# KiCad board 8851_HW-U1-VCU118_REV2-0_071417.kicad_pcb (continued)
## Routing (per net, layer and track width the routed paths; a pad name or vN(x,y) marks a point on that pad's centre or on a via; arc(x,y) is an arc through that point) (continued)
FMC_HPC1_LA33_N: length 158.3
  TOP w0.102: 122.77,54.47 v2(123.26,53.98) ; J2.G37 v3(129.15,163.25)
  18_SIG6 w0.075: 129.59,88.85 129.59,88.84 129.64,88.8 129.64,88.04 129.55,87.95 129.55,85.86 129.58,85.83 129.58,83.22 129.56,83.2 129.56,81.3 129.41,81.14 127.88,81.14 127.6,80.86 127.6,67.58 127.38,67.37 122.97,67.37 122.68,67.07 122.68,54.63 122.94,54.37 123.19,54.37 123.26,54.29 v2(123.26,53.98)
  18_SIG6 w0.087: 129.59,88.85 129.59,89.1 129.42,89.27 129.42,100.86 129.88,101.31 129.88,113.09 131.62,114.84 131.62,115.94 133.34,117.66 133.34,122.59 133.25,122.68 132.52,122.68 132.28,122.93 132.28,123.42 132.52,123.67 133.25,123.67 133.34,123.75 133.34,124 132.61,124.73 132.61,125.88 133.01,126.28 133.01,129.75 130.58,132.19 130.58,133.37 131.24,134.03 131.24,134.21 130.87,134.59 130.68,134.59 130.08,133.99 129.67,133.99 129.06,134.6 129.06,141.73 126.42,144.37 123.08,144.37 120.84,146.61 119.38,146.61 117.39,148.6 117.39,158.08 117.75,158.44 118.44,158.44 119.67,159.68 121.12,159.68 122.88,157.93 122.88,155.43 122.12,154.68 122.12,153.83 123.04,152.92 130.09,152.92 130.39,153.22 130.39,154.67 129.64,155.43 129.64,162.76 v3(129.15,163.25)
FMC_HPC1_LA33_P: length 158.2
  TOP w0.102: 122.77,55.46 v2(123.26,54.96) ; J2.G36 v3(130.4,163.25)
  18_SIG6 w0.075: 129.86,88.85 129.86,88.83 129.83,88.8 129.83,87.96 129.74,87.87 129.74,85.94 129.78,85.91 129.78,83.14 129.76,83.12 129.76,81.22 129.49,80.95 127.96,80.95 127.79,80.78 127.79,67.5 127.46,67.17 123.05,67.17 122.87,66.99 122.87,54.71 123.02,54.56 123.17,54.56 123.26,54.65 v2(123.26,54.96)
  18_SIG6 w0.087: v3(130.4,163.25) 130.05,163.25 129.91,163.12 129.91,155.54 130.67,154.79 130.67,153.1 130.21,152.64 122.93,152.64 121.85,153.72 121.85,154.79 122.6,155.54 122.6,157.81 121.01,159.4 119.79,159.4 118.55,158.17 117.87,158.17 117.67,157.97 117.67,148.71 119.49,146.89 120.95,146.89 123.2,144.64 126.54,144.64 129.34,141.84 129.34,134.71 129.78,134.27 129.97,134.27 130.57,134.86 130.98,134.86 131.52,134.33 131.52,133.91 130.86,133.25 130.86,132.3 133.29,129.87 133.29,126.17 132.89,125.76 132.89,124.84 133.61,124.12 133.61,123.64 133.36,123.39 132.64,123.39 132.55,123.3 132.55,123.04 132.64,122.95 133.36,122.95 133.61,122.7 133.61,117.54 131.9,115.83 131.9,114.72 130.15,112.97 130.15,101.2 129.7,100.75 129.7,89.38 129.86,89.22 129.86,88.85
FMC_HPC1_PG_M2C: length 267.8
  TOP w0.15: J2.F1 v3(174.15,162)
  03_SIG1 w0.17: v3(50.03,155.17) 48.15,153.28 48.15,149.07 45.65,146.57 39.85,146.57 38.63,145.35 38.63,139.92 39.3,139.25 39.3,134.23 33.73,128.66 33.73,112.38 32.49,111.14 32.49,106.99 32.83,106.65 33.58,106.65 34.12,106.1 34.12,104.7 35.55,103.27 35.55,94.32 27.02,85.79 27.02,81.12 v3(27.8,80.35)
  14_SIG4 w0.087: v3(27.8,80.35) 29.69,78.46 37.15,78.46 37.74,79.05 44.25,79.05 v3(45.15,78.15)
  18_SIG6 w0.087: v3(174.15,162) 175.11,162.96 175.11,169.61 173.97,170.75 55.73,170.75 53.62,168.65 50.91,168.65 46.82,164.57 46.82,155.73 47.93,154.62 49.48,154.62 v3(50.03,155.17)
  BOTTOM w0.15: v3(174.15,162) 174.78,162.63 176.26,162.63 ; 46.42,77.79 45.51,77.79 v3(45.15,78.15)
  BOTTOM w0.375: R890.2 v3(177.95,162.63)
FMC_HPC1_PG_M2C_LS: length 204.4
  TOP w0.15: 133.6,48.57 v2(134.09,48.07)
  16_SIG5 w0.087: v3(41.86,77.79) 39.86,77.79 38.9,76.82 33.57,76.82 30.01,73.26 30.01,49.3 35.25,44.05 35.25,35.8 36.58,34.47 36.58,25.29 48.11,13.75 57.15,13.75 58.09,14.69 61.75,14.69 61.86,14.8 65.47,14.8 65.97,14.3 72.48,14.3 73.58,13.2 86.04,13.2 87.33,14.49 90.31,14.49 91.57,13.23 129.12,13.23 129.9,14.01 v3(129.9,14.03)
  BOTTOM w0.15: v3(129.9,14.03) 130.05,14.18 131.39,14.18 131.65,14.44 131.65,18.16 132.85,19.36 132.85,22.28 132.34,22.8 132.34,40.61 132.62,40.89 132.62,47.42 132.75,47.55 133.57,47.55 v2(134.09,48.07) ; 40.67,77.79 v3(41.86,77.79)
FMC_HPC1_PRSNT_M2C_B: length 251.1
  TOP w0.15: J2.H2 v3(172.9,164.5)
  05_SIG2 w0.17: v3(26.62,117.67) 25.99,117.04 25.99,113.04 26.48,112.55 26.48,105.47 29.01,102.93 32.57,102.93 36.85,98.65 36.85,93.05 41.45,88.45 41.45,80.15 45.73,75.87 v3(47.61,75.87)
  07_SIG3 w0.17: v3(138.08,149.33) 166.75,149.33 172.26,154.84 172.26,163.86 v3(172.9,164.5)
  18_SIG6 w0.087: v3(26.62,117.67) 30.45,117.67 33.15,120.38 33.15,123.18 35.52,125.55 35.52,129.55 38.45,132.47 38.45,134.4 39.85,135.8 39.85,139.55 39.4,140 39.4,145.08 40.41,146.09 47.4,146.09 52.11,150.81 60.33,150.81 63.77,147.37 v3(63.77,145.55)
  BOTTOM w0.15: v3(63.77,145.55) 65.9,145.55 68.9,148.55 137.3,148.55 v3(138.08,149.33) 138.08,150.41 ; 25.99,116.13 25.99,117.04 v3(26.62,117.67) ; 176.26,165.38 175.32,165.38 175.09,165.15 173.55,165.15 v3(172.9,164.5) ; 46.42,75.87 v3(47.61,75.87)
  BOTTOM w0.375: R888.2 v3(177.95,165.38)
FMC_HPC1_PRSNT_M2C_B_LS: length 203
  TOP w0.15: 134.58,48.57 v2(135.08,48.07)
  16_SIG5 w0.087: v3(39.49,75.87) 39.49,75.8 37.6,73.92 32.03,73.92 30.82,72.71 30.82,49.52 37.16,43.17 37.16,25.56 48.42,14.3 50.76,14.3 51.74,15.28 65.72,15.28 66.08,14.93 72.55,14.93 73.33,14.14 76.37,14.14 76.78,14.55 81.95,14.55 82.22,14.28 86.39,14.28 87.12,15.01 90.52,15.01 91.65,13.88 99.21,13.88 100.03,14.7 103.08,14.7 103.9,13.88 107,13.88 107.88,14.75 119.11,14.75 120,13.86 122.48,13.86 123.7,15.08 125.55,15.08 126.4,15.93 128.01,15.93 129.38,14.55 130.6,14.55 131.14,14.02 v3(132.33,14.02)
  BOTTOM w0.15: v2(135.08,48.07) 134.58,47.58 134.58,46.83 134.35,46.6 133.92,46.6 133.6,46.27 133.6,40.81 132.69,39.89 132.69,22.94 133.2,22.43 133.2,19.22 132.01,18.02 132.01,17 132.75,16.25 132.75,14.44 v3(132.33,14.02) ; 40.67,75.87 v3(39.49,75.87)
FMC_HPC1_PRSNT_M2C_B_SYSCTLR: length 22.4
  TOP w0.15: 10.14,129.3 v6(9.75,128.91)
  18_SIG6 w0.087: v6(9.75,128.91) 10.14,128.51 10.71,128.51 10.93,128.29 10.93,127.89 11.1,127.72 11.15,127.72 11.16,127.73 11.48,127.73 11.49,127.72 11.5,127.72 11.72,127.5 11.72,127.09 11.87,126.94 12.27,126.94 12.7,126.51 13.12,126.51 15.34,124.29 20.18,124.29 21.92,122.56 23.99,122.56 v3(26.12,120.42)
  BOTTOM w0.15: v3(26.12,120.42) 25.99,120.56 25.99,121.88
FMC_HPC1_TCK_BUF: length 96.5
  TOP w0.138: U19.16 60.74,140.29 60.91,140.13 v3(61.88,140.13)
  TOP w0.15: J2.D29 v3(139.15,159.5)
  BOTTOM w0.15: v3(61.88,140.13) 62.93,141.18 63.16,141.18 63.75,141.77 63.75,142.42 64.65,143.33 65.18,143.33 68.96,147.1 139.05,147.1 140.38,148.43 140.38,153.2 139.9,153.68 139.9,158.75 v3(139.15,159.5)
FMC_HPC1_TDO: length 220
  TOP w0.15: J2.D31 v3(136.65,159.5)
  03_SIG1 w0.17: v3(31.51,68.3) 29.14,70.67 29.14,86.67 36.38,93.9 36.38,103.55 35.07,104.86 35.07,107.48 34.6,107.95 34.6,113.38 34.27,113.7 34.27,127.4 35.52,128.65 35.52,129.62 39.88,133.97 39.88,139.45 39.17,140.15 39.17,145.12 40.08,146.03 47.25,146.03 49.96,148.73 49.96,152.81 v3(49.94,152.83)
  16_SIG5 w0.087: v3(136.65,159.5) 136.03,160.13 125.17,160.13 124.78,160.53 124.78,163.78 122.7,165.85 122.7,167.53 121.19,169.04 118.94,169.04 118.12,169.85 105.8,169.85 105.67,169.98 56.25,169.98 52.83,166.55 52.83,162.96 51.06,161.2 51.06,153.95 v3(49.94,152.83)
  BOTTOM w0.15: v3(136.65,159.5) 137.28,158.88 137.28,155.34 137.44,155.18 137.44,152.28 ; 33.55,67.15 32.67,67.15 v3(31.51,68.3)
  BOTTOM w0.175: U13.8 33.24,67.93 33.12,68.05 33.12,68.5 v3(33.2,68.58)
FMC_HPC1_TDO_LS: length 126.4
  TOP w0.15: v3(36.51,66.66) 36.51,64.93 35.29,63.71 31.89,63.71 29.8,65.8 29.8,77.12 26.96,79.97 v3(21.64,79.97) 20.96,79.97 19.43,79.97 ; 10.93,131.66 v6(10.53,131.27) ; 6.05,149.96 v3(2.91,149.96)
  07_SIG3 w0.111: v6(10.53,131.27) 10.14,130.88 9.12,130.88
  07_SIG3 w0.17: v3(21.64,79.97) 20.25,79.97 17.99,82.22 15.38,82.22 10.57,87.02 10.57,95.77 3.82,102.53 3.82,123.84 4.97,125 4.97,128.62 6.27,129.92 7.6,129.92 8.55,130.88 9.12,130.88 ; v6(10.53,131.27) 10.53,131.31 9.16,132.69 9.16,137.74 8.78,138.12 8.78,144.1 v3(2.91,149.96)
  BOTTOM w0.15: v3(36.51,66.66) 36.02,67.15 35.32,67.15
  BOTTOM w0.175: U13.5 36.28,67.93 v3(36.51,68.16)
FMC_HPC1_TMS_BUF: length 98.7
  TOP w0.138: v3(63.05,142.67) 62.71,142.67 62.51,142.48 61.58,142.48 61.31,142.21 U19.19
  TOP w0.15: J2.D33 v3(134.15,159.5)
  BOTTOM w0.15: v3(63.05,142.67) 64.37,144 65.15,144 68.95,147.8 138.75,147.8 139.01,148.06 139.01,154.64 138.57,155.08 138.57,159.57 138.01,160.12 J2.D33 v3(134.15,159.5)
FMC_HPC1_VREF_A_M2C: length 199.9
  TOP w0.15: J2.H1 v3(174.15,164.5)
  16_SIG5 w0.087: v3(185.82,121.4) 184.86,121.4 175.99,130.28 175.05,130.28 174.68,130.65 174.68,134.55 175.75,135.62 175.75,136.28 177.85,138.38 177.85,139.5 177.1,140.25 175.84,140.25 175.45,140.64 175.45,150.15 173.53,152.08 173.53,163.88 v3(174.15,164.5)
  BOTTOM w0.15: 133.6,52.53 133.6,53.19 133.9,53.49 134.29,53.49 134.58,53.78 134.58,54.23 134.82,54.47 141.83,54.47 147.06,49.24 150.39,49.24 151.2,48.42 165.41,48.42 166.03,49.04 166.03,50.44 167.13,51.54 168.78,51.54 173,55.77 173,61.92 175.41,64.33 175.41,65.94 178.6,69.12 182.38,69.12 192.75,79.49 192.75,119.1 190.45,121.4 v3(185.82,121.4) ; 133.6,52.53 133.6,51.52 R1024.1 129.97,51.51 129.66,51.81 129.66,52.21 129.37,52.5 128.95,52.5 128.68,52.77 128.68,53.19 128.38,53.49 127.91,53.49 127.69,53.71 127.69,54.18 127.4,54.47 126.93,54.47 126.71,54.69 126.71,55.24 126.49,55.46 123.08,55.46 122.76,55.77 R1023.1 121.8,56.43 ; 133.6,52.53 133.61,52.51 C1332.1
FMC_VADJ_ON: length 159.1
  TOP w0.375: J14.2 124.67,139.52
  07_SIG3 w0.375: v3(47.61,77.15) 48.6,77.15 49.34,77.88 58.73,77.88 59.45,78.6 62.55,78.6 64.4,80.45 64.4,84.09 66.05,85.75 66.05,97.41 64.59,98.88 64.59,100.34 62.81,102.12 61.44,102.12 58.83,104.74 58.83,105.73 57.99,106.56 57.99,108.58 58.93,109.52 58.93,114.25 59.71,115.03 61.05,115.03 62.06,116.05 62.06,122.12 61.02,123.17 61.02,131.39 62.41,132.78 62.41,136.98 63.34,137.91 63.34,139.31 v3(62.8,139.85)
  BOTTOM w0.375: R331.1 124.18,140.35 124.67,140.85 J14.2 124.67,143.03 123.21,144.49 114.17,144.49 113.3,145.37 68.98,145.37 63.47,139.85 v3(62.8,139.85) ; 46.42,77.15 v3(47.61,77.15)
FMC_VADJ_ON_LS: length 183.4
  TOP w0.15: v2(124.25,70.71) 123.76,70.22
  14_SIG4 w0.087: v2(124.25,70.71) 124.25,70.7 123.76,70.21 123.76,65.59 123.47,65.3 122.8,65.3 121.79,64.29 121.79,63.62 121.5,63.33 121.09,63.33 120.8,63.04 120.8,62.63 120.52,62.35 120.11,62.35 119.82,62.06 119.82,54.66 119.62,54.47 119.13,54.47 118.84,54.18 118.84,54.04 118.83,54.04 118.83,51.81 118.55,51.52 118.15,51.52 117.85,51.23 117.85,51.19 117.85,51.19 117.85,50.83 117.56,50.53 117.16,50.53 117.14,50.52 117.13,50.52 116.87,50.26 116.87,48.37 116.73,48.23 116.73,45.89 116.2,45.36 116.2,43.73 115.88,43.41 115.88,41.89 115.57,41.57 115.57,40.14 110.7,35.27 110.7,23.03 108.66,20.99 106.89,20.99 106.16,21.71 103.95,21.71 102.33,20.09 87.81,20.09 87.12,19.4 78.8,19.4 78.17,18.77 77.58,18.77 77.25,19.1 71.74,19.1 71.6,18.96 65.61,18.96 65.3,19.27 62.35,19.27 61.1,20.52 61.1,25.25 59.9,26.45 59.9,30.37 56.16,34.11 52.2,34.11 47.31,39 47.31,40.92 43.7,44.53 43.7,51.6 37.62,57.67 37.62,64.2 38.4,64.97 41.48,64.97 42.33,65.83 42.33,71.88 43.48,73.03 43.48,75.87 v3(42.8,76.55)
  BOTTOM w0.15: 40.67,77.15 42.2,77.15 v3(42.8,76.55)
FMCP_HSPC_CLK0_M2C_N: length 156.1
  TOP w0.102: J22.H5 v3(100.25,164.5) ; v2(125.23,73.66) 124.74,73.17
  16_SIG5 w0.075: v2(125.23,73.66) 124.91,73.66 124.84,73.59 124.84,73.46 125.02,73.27 131.34,73.27 131.53,73.46 131.53,83.18 131.55,83.2 131.55,85.99 131.51,86.03 131.51,87.89 131.53,87.91 131.53,88.19 131.49,88.23 131.49,88.25
  16_SIG5 w0.087: 131.49,88.25 131.49,91.43 129.75,93.17 129.75,102.92 129.47,103.2 129.47,112.31 130.03,112.86 130.03,113.25 131.43,114.65 131.43,115.47 131.93,115.97 131.93,117.09 131.7,117.31 131.7,126.83 133.27,128.41 133.27,129.63 133.7,130.05 133.7,134.58 133.61,134.67 132.92,134.67 132.68,134.92 132.68,135.41 132.92,135.66 133.61,135.66 133.7,135.74 133.7,136.01 133.61,136.09 132.92,136.09 132.68,136.34 132.68,136.83 132.92,137.08 133.61,137.08 133.7,137.17 133.7,137.43 133.61,137.52 133.25,137.52 133,137.77 133,138.26 133.25,138.51 133.61,138.51 133.7,138.59 133.7,138.86 133.61,138.94 133.27,138.94 133.03,139.19 133.03,139.68 133.27,139.93 133.61,139.93 133.7,140.02 133.7,140.4 133.1,141 133.1,142.48 133.68,143.05 133.68,143.86 133.59,143.95 133.07,143.95 132.82,144.2 132.82,144.69 133.07,144.94 133.59,144.94 133.68,145.02 133.68,145.44 131.9,147.21 131.9,149.15 131.68,149.38 129.28,149.38 129.1,149.2 129.1,148.28 128.65,147.83 128,147.83 127.7,148.12 127.7,149 127.33,149.38 127.19,149.38 127.1,149.29 127.1,147.87 126.86,147.62 126.37,147.62 126.12,147.87 126.12,149.29 126.03,149.38 125.77,149.38 125.68,149.29 125.68,147.87 125.43,147.62 124.94,147.62 124.69,147.87 124.69,149.29 124.6,149.38 124.34,149.38 124.25,149.29 124.25,147.87 124.01,147.62 123.52,147.62 123.27,147.87 123.27,149.29 123.18,149.38 122.63,149.38 121.72,150.28 121.72,151.25 113.5,159.47 112.93,159.47 111.41,157.95 111.06,157.95 109.67,159.34 109.67,159.69 110.03,160.04 110.38,160.04 111.12,159.3 111.36,159.3 112.23,160.17 112.23,160.29 112,160.53 111.11,160.53 109.96,161.68 109.83,161.68 108.89,160.74 108.54,160.74 108.19,161.08 108.19,161.43 109.14,162.38 109.14,162.5 108.91,162.73 106.51,162.73 105.51,163.73 101.26,163.73 100.95,164.04 100.95,164.5 100.85,164.6 100.35,164.6 v3(100.25,164.5)
FMCP_HSPC_CLK0_M2C_P: length 156.1
  TOP w0.102: v2(124.25,73.66) 123.76,73.17 ; J22.H4 v3(101.5,164.5)
  16_SIG5 w0.075: 131.77,88.25 131.77,88.23 131.73,88.19 131.73,87.83 131.71,87.81 131.71,86.11 131.75,86.07 131.75,83.12 131.73,83.1 131.73,73.38 131.43,73.08 124.94,73.08 124.64,73.38 124.64,73.59 124.57,73.66 v2(124.25,73.66)
  16_SIG5 w0.087: 131.77,88.25 131.77,91.54 130.03,93.28 130.03,103.04 129.75,103.32 129.75,112.2 130.3,112.75 130.3,113.14 131.7,114.54 131.7,115.36 132.2,115.86 132.2,117.2 131.97,117.42 131.97,126.72 133.55,128.29 133.55,129.51 133.97,129.94 133.97,134.69 133.72,134.94 133.04,134.94 132.95,135.03 132.95,135.29 133.04,135.38 133.72,135.38 133.97,135.63 133.97,136.12 133.72,136.37 133.04,136.37 132.95,136.46 132.95,136.72 133.04,136.81 133.72,136.81 133.97,137.05 133.97,137.54 133.72,137.79 133.36,137.79 133.28,137.88 133.28,138.14 133.36,138.23 133.72,138.23 133.97,138.48 133.97,138.97 133.72,139.22 133.39,139.22 133.3,139.31 133.3,139.57 133.39,139.66 133.72,139.66 133.97,139.9 133.97,140.52 133.38,141.11 133.38,142.36 133.95,142.94 133.95,143.98 133.7,144.22 133.19,144.22 133.1,144.31 133.1,144.57 133.19,144.66 133.7,144.66 133.95,144.91 133.95,145.55 132.18,147.33 132.18,149.26 131.79,149.65 129.16,149.65 128.82,149.31 128.82,148.39 128.54,148.1 128.11,148.1 127.97,148.24 127.97,149.11 127.44,149.65 127.08,149.65 126.83,149.4 126.83,147.99 126.74,147.9 126.48,147.9 126.39,147.99 126.39,149.4 126.14,149.65 125.65,149.65 125.4,149.4 125.4,147.99 125.32,147.9 125.05,147.9 124.97,147.99 124.97,149.4 124.72,149.65 124.23,149.65 123.98,149.4 123.98,147.99 123.89,147.9 123.63,147.9 123.54,147.99 123.54,149.4 123.29,149.65 122.74,149.65 122,150.39 122,151.36 113.62,159.75 112.82,159.75 111.3,158.23 111.17,158.23 109.95,159.45 109.95,159.57 110.14,159.77 110.27,159.77 111.01,159.02 111.48,159.02 112.51,160.06 112.51,160.41 112.11,160.8 111.22,160.8 110.07,161.95 109.72,161.95 108.78,161.01 108.65,161.01 108.47,161.2 108.47,161.32 109.41,162.26 109.41,162.61 109.02,163.01 106.62,163.01 105.62,164 101.38,164 101.22,164.15 101.22,164.23 v3(101.5,164.5)
FMCP_HSPC_CLK1_M2C_N: length 143.9
  TOP w0.102: J22.G3 v3(102.75,163.25) ; 107.02,77.11 v2(106.53,77.6)
  14_SIG4 w0.075: v2(106.53,77.6) 106.53,77.28 106.61,77.21 107.76,77.21 108.11,76.86 108.11,75.47 108.34,75.24 108.75,75.24 109.09,74.89 109.09,73.5 109.32,73.27 110.71,73.27 111.06,72.92 111.06,72.52 111.29,72.29 121.46,72.29 121.69,72.52 121.69,73.83 121.46,74.06 119.08,74.06 118.74,74.4 118.74,81.01 118.76,81.03 118.76,82.95 118.74,82.97 118.74,83.91 118.72,83.93 118.72,86.02 118.76,86.06 118.76,87.71 119.55,88.5 119.82,88.5 120.25,88.94 120.61,88.94 120.92,89.25 120.92,89.29 120.93,89.3
  14_SIG4 w0.087: 120.93,89.3 123.75,92.12 128.3,96.67 128.3,104.78 129.41,105.89 129.41,111.66 128.58,112.49 128.58,113.52 130.24,115.18 130.24,126.13 133.3,129.19 133.3,138.79 125.07,147.02 118.44,147.02 113.31,152.15 103.76,152.15 103.24,152.67 103.24,163.05 103.03,163.25 v3(102.75,163.25)
FMCP_HSPC_CLK1_M2C_P: length 144.1
  TOP w0.102: v3(104,163.25) J22.G2 ; 107.02,76.12 v2(106.53,76.62)
  14_SIG4 w0.075: v2(106.53,76.62) 106.53,76.94 106.61,77.01 107.68,77.01 107.91,76.78 107.91,75.39 108.26,75.04 108.66,75.04 108.9,74.81 108.9,73.42 109.24,73.07 110.63,73.07 110.86,72.84 110.86,72.44 111.21,72.09 121.54,72.09 121.89,72.44 121.89,73.91 121.54,74.25 119.16,74.25 118.93,74.48 118.93,80.93 118.95,80.95 118.95,83.03 118.93,83.05 118.93,83.99 118.91,84.01 118.91,85.94 118.95,85.98 118.95,87.63 119.63,88.31 119.9,88.31 120.33,88.74 120.7,88.74 121.06,89.11 121.13,89.11
  14_SIG4 w0.087: 121.13,89.11 128.57,96.56 128.57,104.66 129.69,105.77 129.69,111.77 128.86,112.6 128.86,113.41 130.51,115.06 130.51,126.02 133.57,129.08 133.57,138.9 125.18,147.29 118.56,147.29 113.43,152.42 103.88,152.42 103.51,152.79 103.51,162.76 v3(104,163.25)
FMCP_HSPC_DP0_C2M_N: length 176.3
  TOP w0.102: J22.C3 v3(102.75,158.25)
  TOP w0.113: 128.68,84 v2(129.17,84.49)
  03_SIG1 w0.107: v2(129.17,84.49) 129.17,84.2 arc(129.38,84.24) 129.2,84.13 129.24,84.09 arc(129.28,84.06) 129.32,84.05 129.39,84.05 arc(129.43,84.06) 129.47,84.09 129.53,84.15 arc(129.55,84.19) 129.56,84.23 129.56,87.91 arc(129.59,88.07) 129.69,88.21 arc(129.75,88.31) 129.78,88.43 129.78,88.87 arc(129.75,88.98) 129.69,89.08
  03_SIG1 w0.15: 129.69,89.08 129.69,109.19 arc(129.87,109.62) 130.3,109.8 130.92,109.8 arc(131.2,110.08) 130.92,110.36 129.95,110.36 arc(130.56,111.83) 129.09,111.22 arc(132.11,110.62) 129.55,112.33 129.72,112.5 arc(129.87,112.73) 129.93,113 129.93,113.57 arc(131.96,113.16) 130.23,114.32 arc(130.26,114.35) 130.28,114.38 arc(130.31,114.45) 130.32,114.53 130.32,118.25 arc(130.23,118.48) 130,118.58 129.71,118.58 arc(129.54,118.51) 129.47,118.34 129.47,117.85 arc(129.29,117.41) 128.85,117.22 128.78,117.22 arc(129.27,118.42) 128.07,117.92 128.07,119.29 arc(128.32,119.88) 128.91,120.12 130.07,120.12 arc(130.21,120.18) 130.27,120.32 130.27,120.53 arc(130.19,120.73) 129.99,120.81 129.09,120.81 arc(129.79,121.5) 129.09,122.2 129.99,122.2 arc(130.19,122.28) 130.27,122.48 130.27,124.79 arc(134.58,123.94) 130.93,126.38 131.09,126.54 arc(131.55,127.23) 131.72,128.06 131.72,130.85 arc(131.63,131.04) 131.43,131.13 129.05,131.13 arc(129.74,131.82) 129.05,132.51 131.43,132.51 arc(131.72,132.8) 131.43,133.08 128.43,133.08 arc(128.91,134.23) 127.76,133.75 127.76,133.79 arc(127.95,134.27) 128.43,134.46 131.23,134.46 arc(131.55,134.53) 131.83,134.72 131.95,134.83 arc(132.18,135.18) 132.26,135.58 132.26,140.22 arc(132.23,140.38) 132.14,140.51 126.54,146.11 arc(126.09,146.41) 125.56,146.51 124.92,146.51 arc(124.51,146.43) 124.17,146.2 arc(124.11,146.11) 124.08,145.99 124.08,145.09 arc(123.82,144.45) 123.19,144.19 121.43,144.19 arc(121.07,144.26) 120.76,144.47 114.3,150.92 arc(114.18,151) 114.04,151.03 103.89,151.03 arc(103.29,151.15) 102.78,151.49 102.56,151.72 arc(102.02,152.07) 101.39,152.2 95.07,152.2 arc(95.52,153.28) 94.44,152.83 94.44,157.01 arc(94.67,157.58) 95.24,157.81 103.06,157.81 arc(103.19,157.86) 103.26,157.99 arc(103.26,157.99) 103.26,158 arc(103.26,158) 103.26,158.01 103.26,158.07 arc(103.21,158.2) 103.08,158.25 v3(102.75,158.25)
FMCP_HSPC_DP0_C2M_P: length 167.2
  TOP w0.102: v3(104,158.25) J22.C2
  TOP w0.113: v2(129.17,83.51) 128.68,83.01
  03_SIG1 w0.107: v2(129.17,83.51) 129.67,84.01 arc(129.74,84.11) 129.76,84.23 129.76,87.91 arc(129.78,87.99) 129.83,88.07 arc(129.94,88.23) 129.98,88.43 129.98,88.87 arc(130.55,88.75) 130.06,89.08
  03_SIG1 w0.15: 130.06,89.08 130.06,109.19 arc(130.13,109.36) 130.3,109.42 130.92,109.42 arc(131.58,110.08) 130.92,110.74 129.95,110.74 arc(130.29,111.56) 129.47,111.22 arc(131.77,110.76) 129.82,112.07 129.98,112.23 arc(130.22,112.58) 130.3,113 130.3,113.57 arc(131.61,113.31) 130.5,114.05 arc(130.56,114.12) 130.61,114.19 130.7,114.28 130.7,118.25 arc(130.49,118.74) 130,118.95 129.71,118.95 arc(129.28,118.77) 129.1,118.34 129.1,117.85 arc(129.03,117.67) 128.85,117.6 128.78,117.6 arc(129,118.15) 128.45,117.92 128.45,119.29 arc(128.59,119.61) 128.91,119.75 130.07,119.75 arc(130.48,119.92) 130.65,120.32 130.65,120.53 arc(130.45,120.99) 129.99,121.18 129.09,121.18 arc(129.41,121.5) 129.09,121.82 129.99,121.82 arc(130.45,122.01) 130.65,122.48 130.65,124.79 arc(134.24,124.08) 131.19,126.11 131.35,126.27 arc(131.9,127.09) 132.09,128.06 132.09,130.85 arc(131.9,131.31) 131.43,131.5 129.05,131.5 arc(129.37,131.82) 129.05,132.14 131.43,132.14 arc(132.09,132.8) 131.43,133.45 128.43,133.45 arc(128.64,133.96) 128.13,133.75 128.13,133.79 arc(128.22,134) 128.43,134.09 131.23,134.09 arc(131.7,134.18) 132.1,134.45 132.21,134.57 arc(132.53,135.03) 132.64,135.58 132.64,140.22 arc(132.58,140.52) 132.4,140.78 126.81,146.37 arc(126.24,146.75) 125.56,146.89 124.92,146.89 arc(124.37,146.78) 123.91,146.47 arc(123.76,146.25) 123.71,145.99 123.71,145.09 arc(123.56,144.72) 123.19,144.56 121.43,144.56 arc(121.21,144.61) 121.02,144.73 117.58,148.17 114.56,151.19 arc(114.32,151.35) 114.04,151.41 103.89,151.41 arc(103.44,151.5) 103.05,151.76 102.82,151.98 arc(102.17,152.42) 101.39,152.57 95.07,152.57 arc(95.26,153.02) 94.81,152.83 94.81,157.01 arc(94.94,157.31) 95.24,157.44 103.06,157.44 arc(103.44,157.58) 103.63,157.95 arc(103.63,157.96) 103.63,157.97 arc(103.63,157.98) 103.63,157.98 103.63,158.13 arc(103.67,158.22) 103.75,158.25 v3(104,158.25)
FMCP_HSPC_DP0_M2C_N: length 178
  TOP w0.102: J22.C7 v3(97.75,158.25)
  TOP w0.113: 127.69,86.95 v2(128.19,87.44)
  05_SIG2 w0.107: v2(128.19,87.44) 128.19,87.09 arc(128.38,87.16) 128.28,86.98 128.3,86.98 128.4,86.98 arc(128.53,87.03) 128.58,87.15 128.58,88.55 arc(128.57,88.59) 128.54,88.63 128.47,88.7 arc(128.93,89) 128.39,88.9 128.39,89.31 arc(128.37,89.43) 128.31,89.52
  05_SIG2 w0.15: 128.31,89.52 128.31,101.53 arc(128.21,102.03) 127.92,102.46 arc(127.77,102.68) 127.72,102.95 127.72,110.57 arc(127.67,110.82) 127.53,111.03 arc(130.04,112.7) 127.08,112.11 127.08,122.23 arc(126.82,123.57) 126.06,124.71 123.83,126.94 arc(125.11,127.47) 123.83,128 124.3,128.47 arc(124.39,128.71) 124.3,128.95 arc(124.06,129.05) 123.82,128.95 123.35,128.48 arc(122.82,128.26) 122.29,128.48 121.96,128.81 arc(126.71,131.98) 121.1,130.87 121.1,135.13 arc(120.77,137.37) 119.78,139.4 arc(119.78,139.42) 119.77,139.43 119.71,139.49 arc(124.66,142.79) 118.83,141.63 arc(118.6,142.76) 117.96,143.71 arc(117.46,143.92) 116.97,143.71 116.61,143.36 arc(116.61,144.34) 115.63,144.34 115.76,144.47 116.52,145.23 arc(116.64,145.51) 116.52,145.79 115.22,147.09 arc(114.34,147.46) 113.45,147.09 112.31,145.95 arc(112.31,146.94) 111.33,146.94 113.13,148.74 arc(113.22,148.96) 113.13,149.19 arc(112.95,149.26) 112.78,149.19 110.93,147.34 arc(110.93,148.3) 109.96,148.3 111.78,150.12 arc(111.87,150.32) 111.78,150.52 arc(111.62,150.6) 111.45,150.57 arc(111.42,150.55) 111.39,150.52 109.48,148.62 arc(109.48,149.61) 108.49,149.61 110.26,151.37 arc(110.37,151.54) 110.41,151.74 110.41,151.82 arc(110.34,152.01) 110.15,152.09 arc(109.83,152.02) 109.56,151.84 107.88,150.17 arc(107.47,150) 107.05,150.17 106.93,150.29 arc(108.46,151.31) 106.66,150.95 106.66,151.06 arc(108.82,150.63) 106.99,151.85 107.87,152.74 arc(108.11,153.1) 108.2,153.52 108.2,154.88 arc(108.16,154.99) 108.05,155.03 107.43,155.03 arc(107.33,154.99) 107.28,154.88 107.28,153.43 arc(107.12,153.04) 106.72,152.87 106.45,152.87 arc(106.95,154.06) 105.76,153.56 105.76,155.9 arc(105.68,156.11) 105.47,156.19 98.91,156.19 arc(99.42,157.42) 98.19,156.91 98.19,158.1 arc(98.14,158.21) 98.04,158.25 v3(97.75,158.25)
FMCP_HSPC_DP0_M2C_P: length 142
  TOP w0.102: J22.C6 v3(99,158.25)
  TOP w0.113: 127.69,85.97 v2(128.19,86.46)
  05_SIG2 w0.107: v2(128.19,86.46) 128.19,86.67 arc(128.22,86.75) 128.3,86.78 128.4,86.78 arc(128.67,86.89) 128.78,87.15 128.78,88.55 arc(128.75,88.67) 128.68,88.77 128.62,88.84 arc(128.74,88.93) 128.59,88.9 128.59,89.31 arc(129.17,89.2) 128.68,89.52
  05_SIG2 w0.15: 128.68,89.52 128.68,101.53 arc(128.55,102.18) 128.19,102.72 arc(128.12,102.83) 128.09,102.95 128.09,110.57 arc(128.02,110.96) 127.8,111.29 arc(127.55,111.67) 127.46,112.11 127.46,122.23 arc(127.16,123.72) 126.32,124.97 124.09,127.2 arc(124.73,127.47) 124.09,127.73 124.56,128.2 arc(124.77,128.71) 124.56,129.21 arc(124.06,129.42) 123.55,129.21 123.08,128.74 arc(122.82,128.63) 122.55,128.74 122.22,129.07 arc(121.67,129.9) 121.48,130.87 121.48,135.13 arc(121.13,137.45) 120.12,139.57 arc(120.09,139.64) 120.04,139.7 119.98,139.76 arc(124.31,142.65) 119.2,141.63 arc(118.95,142.9) 118.23,143.98 arc(117.46,144.3) 116.7,143.98 116.35,143.63 arc(116.35,144.08) 115.9,144.08 116.78,144.97 arc(117.01,145.51) 116.78,146.05 115.49,147.35 arc(114.34,147.83) 113.19,147.35 112.05,146.22 arc(112.05,146.67) 111.59,146.67 113.39,148.48 arc(113.59,148.96) 113.39,149.45 arc(112.95,149.64) 112.51,149.45 110.66,147.6 arc(110.66,148.04) 110.23,148.04 112.05,149.86 arc(112.24,150.32) 112.05,150.79 arc(111.68,150.97) 111.27,150.9 111.23,150.9 109.22,148.88 arc(109.22,149.34) 108.76,149.34 110.52,151.11 arc(110.72,151.4) 110.79,151.74 110.79,151.82 arc(110.6,152.27) 110.15,152.46 arc(109.68,152.37) 109.29,152.11 107.62,150.43 arc(107.47,150.37) 107.32,150.43 107.2,150.56 arc(107.08,150.74) 107.03,150.95 107.03,151.06 arc(107.09,151.34) 107.25,151.59 108.14,152.47 arc(108.46,152.95) 108.57,153.52 108.57,154.88 arc(108.42,155.25) 108.05,155.41 107.43,155.41 arc(107.06,155.25) 106.91,154.88 106.91,153.43 arc(106.85,153.3) 106.72,153.25 106.45,153.25 arc(106.68,153.79) 106.14,153.56 106.14,155.9 arc(105.94,156.37) 105.47,156.57 98.91,156.57 arc(99.15,157.16) 98.56,156.91 98.56,157.53 arc(98.61,157.79) 98.76,158.01 v3(99,158.25)
FMCP_HSPC_DP1_C2M_N: length 177.4
  TOP w0.102: J22.A23 v3(77.75,155.75)
  TOP w0.113: v2(127.2,84.49) 126.71,84